# Altium PCB S3220A.PcbDoc (part 2 of 3)
Units mm, origin at the board's own origin, x right, y up, seen from the top; angles counter-clockwise.
Board outline 117 x 100 mm, 4 copper layers (Top Layer, Internal 1, Internal 2, Bottom Layer), stack 1.41 mm thick; 238 components, 187 nets, 991 pads, 1814 vias.
Unrouted connection lines stored in the file: 236.
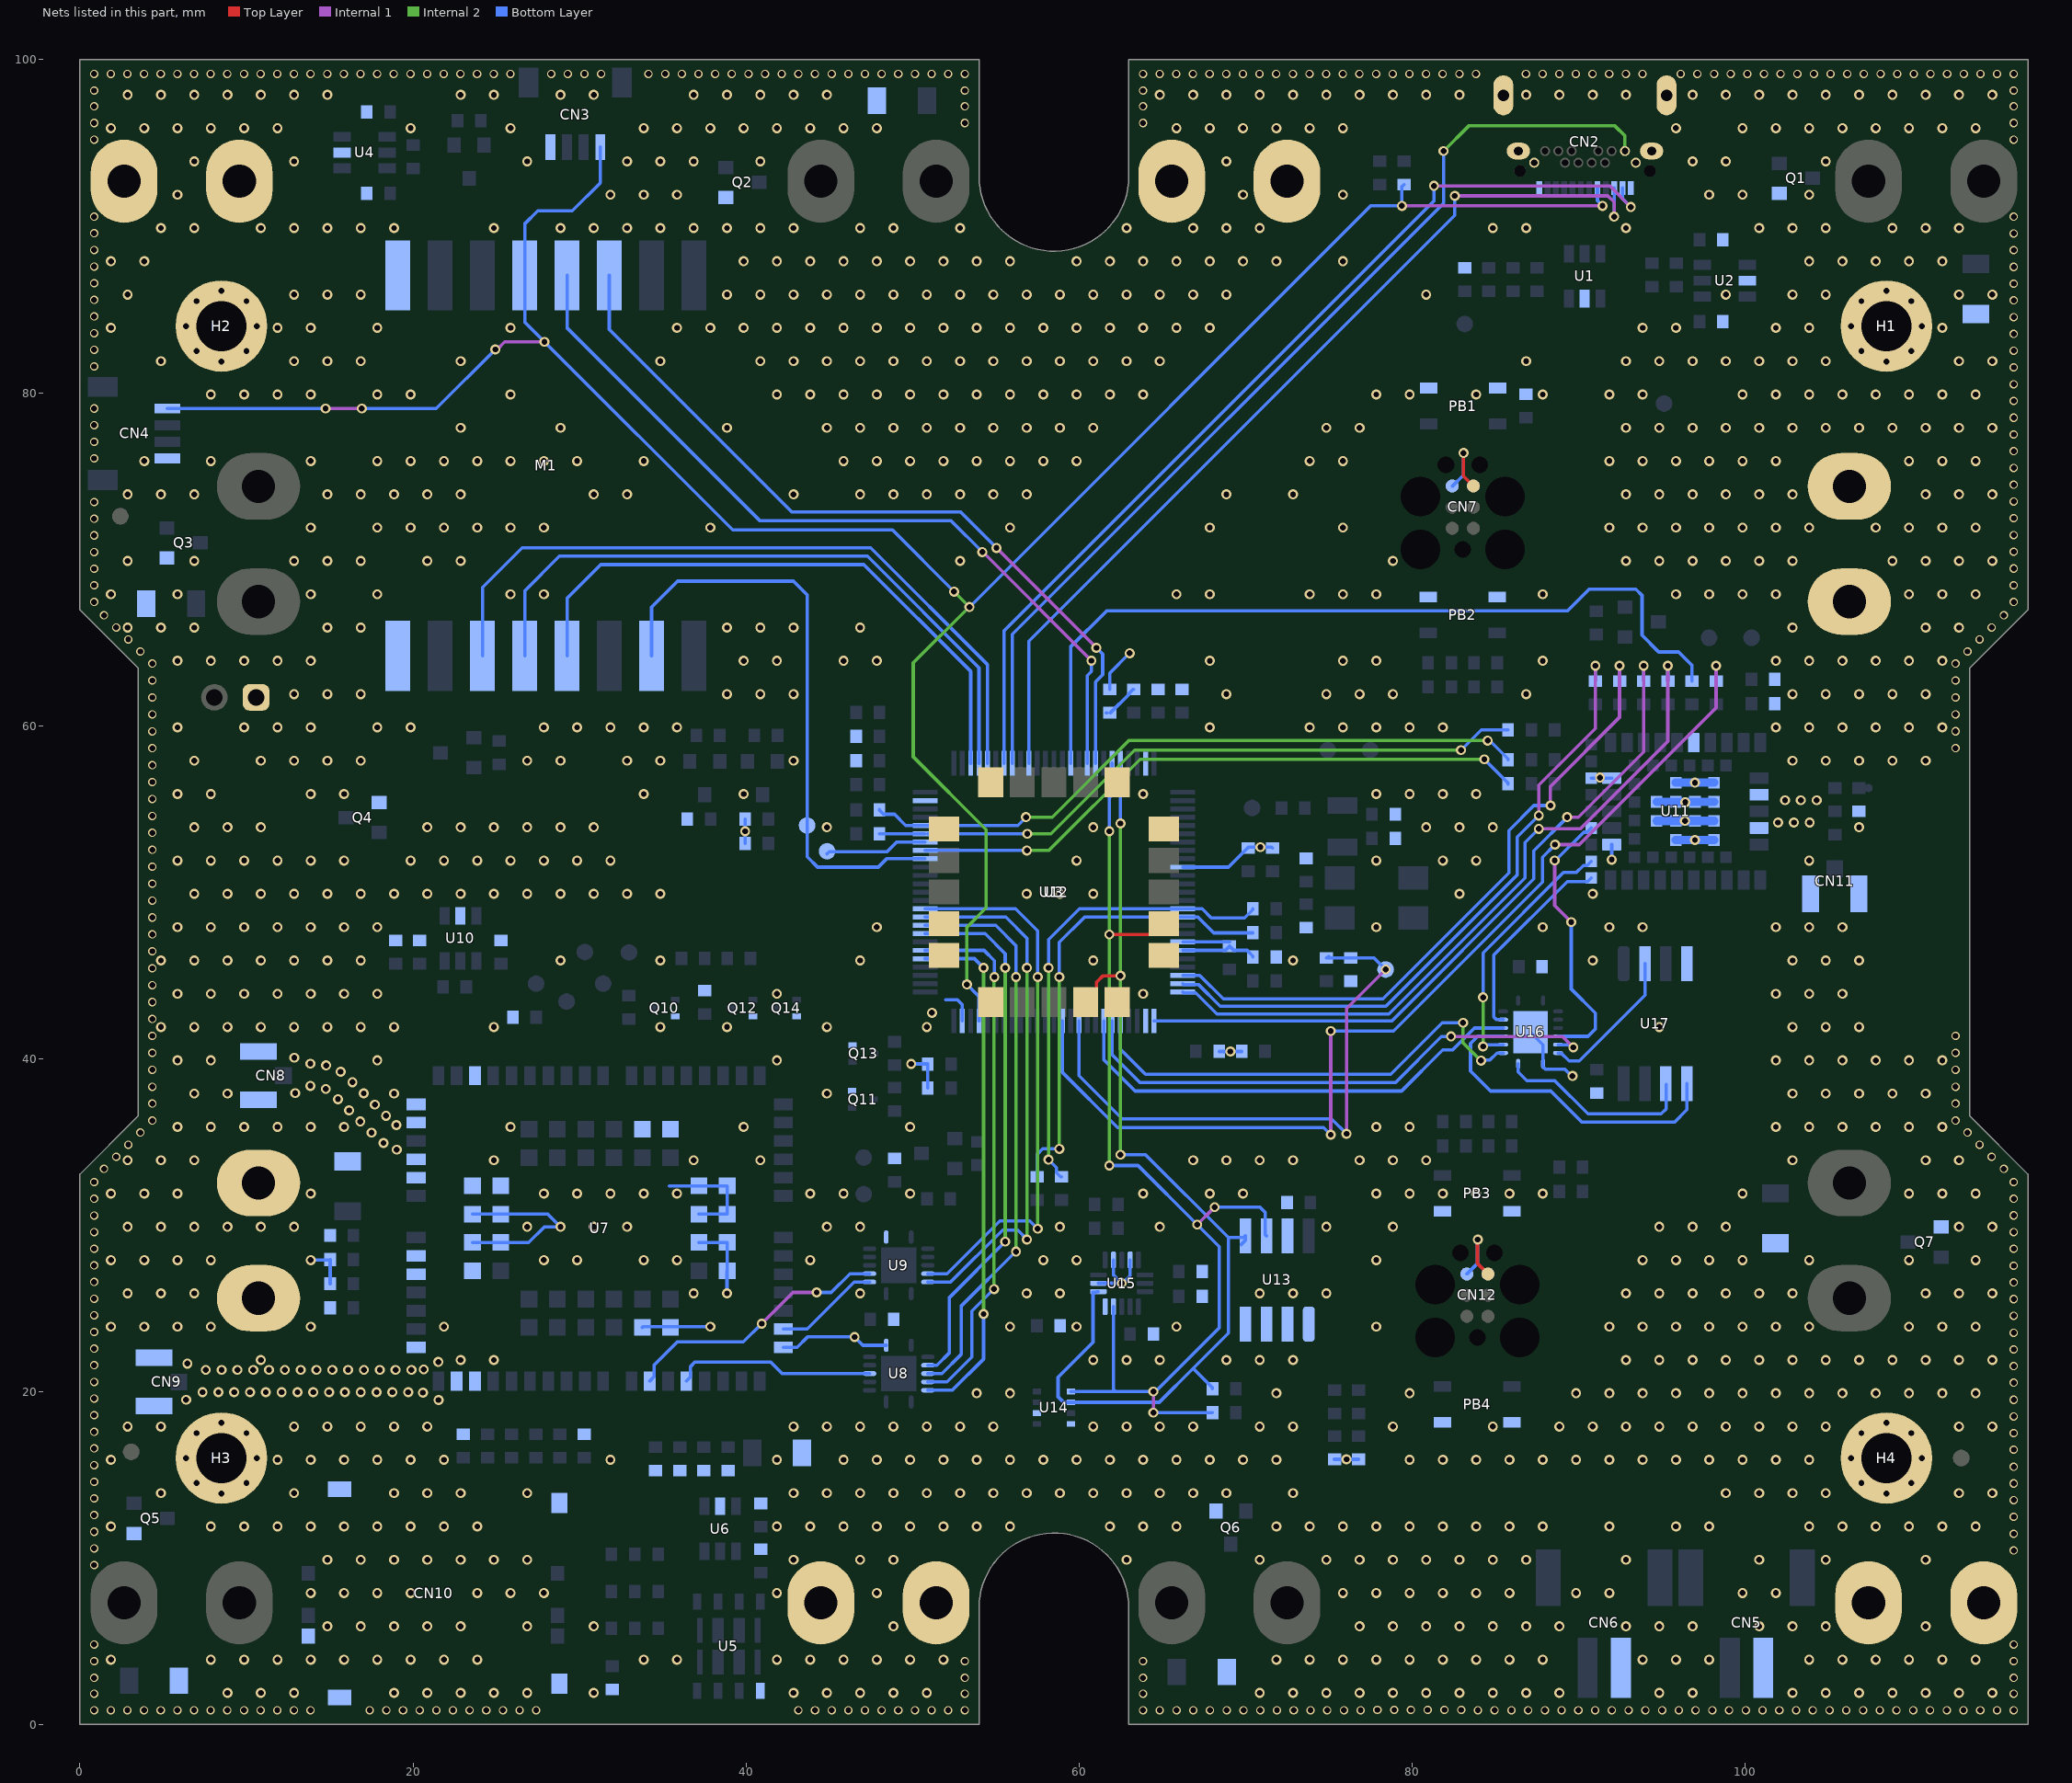
[diagram p4: the nets of this part, all layers, seen from the top]

## Part data
AN1: "2.4 GHz PCB antenna", Manufacturer="Swiss Innovation Lab", Manufacturer Part Number="SIL AN24GHZ", Currency=$, Price=0, Supplier 1=SIL, Supplier Part Number 1="SIL AN24GHZ"
BT1 BT2 BT3 BT7 BT8 BT9 BT10 BT11 BT12 BT16 BT17 BT18: "Battery Contact Clip A, AA 1 Cell PC Pin", Manufacturer="Keystone Electronics", Manufacturer Part Number=92, Supplier Part Number 1=36-92-ND, Currency=$, Price=0,20178, Supplier 1=Digi-Key
BT4 BT5 BT6 BT13 BT14 BT15: Manufacturer=SIL, Currency=$, Supplier 1=SIL
C1 C2 C3 C4 C5 C6 C31 C39: "220µF ±20% 6.3V Ceramic Capacitor X5R 1206 (3216 Metric)", Manufacturer="Murata Electronics North America", Manufacturer Part Number=GRM31CR60J227ME11L, Supplier Part Number 1=490-13970-1-ND, ValueAux=_6.3V, Currency=$, Price=0,59945, Supplier 1=Digi-Key
C7 C9 C10 C11 C16 C17 C19 C21 C23 C25 C27 C29 C30 C34 C42 C44 C45 C46 C47 C50 C52 C53 C55 C56 C57 C58 C59 C61: "0.1µF ±10% 50V Ceramic Capacitor X7R 0603 (1608 Metric)", Manufacturer=TDK, Manufacturer Part Number=C1608X7R1H104K080AA, Supplier Part Number 1=445-1314-6-ND, ValueAux=_50V, Currency=$, Price=0,01309, Supplier 1=Digi-Key
C8 C28 C32 C40 C48: "22µF ±20% 6.3V Ceramic Capacitor X5R 0603 (1608 Metric)", Manufacturer="Samsung Electro-Mechanics", Manufacturer Part Number=CL10A226MQ8NRNC, Supplier Part Number 1=1276-1193-1-ND, ValueAux=_6.3V, Currency=$, Price=0,04566, Supplier 1=Digi-Key
C12 C13: "18pF ±5% 50V Ceramic Capacitor C0G, NP0 0603 (1608 Metric)", Manufacturer=KEMET, Manufacturer Part Number=C0603C180J5GACTU, Supplier Part Number 1=399-1052-1-ND, ValueAux=_50V, Currency=$, Price=0,00974, Supplier 1=Digi-Key
C14 C15: "12pF ±1% 50V Ceramic Capacitor C0G, NP0 0603 (1608 Metric)", Manufacturer="Samsung Electro-Mechanics", Manufacturer Part Number=CL10C120FB8NNNC, Supplier Part Number 1=1276-2175-1-ND, ValueAux=_50V, Currency=$, Price=0,05153, Supplier 1=Digi-Key
C18 C20 C22 C24 C26 C51 C54 C60: "10µF ±10% 10V Ceramic Capacitor X5R 0603 (1608 Metric)", Manufacturer="Murata Electronics North America", Manufacturer Part Number=GRM188R61A106KE69D, Supplier Part Number 1=490-10474-1-ND, ValueAux=_10V, Currency=$, Price=0,03994, Supplier 1=Digi-Key
C33 C41: "1µF 50V Ceramic Capacitor X5R 0603 (1608 Metric) 0.063\" L x 0.032\" W (1.60mm x 0.80mm)", Manufacturer="Samsung Electro-Mechanics", Manufacturer Part Number=CL10A105KB8NNNC, Supplier Part Number 1=1276-1860-1-ND, ValueAux=_50V, Currency=$, Price=0,03472, Supplier 1=Digi-Key
C35 C36 C37 C38 C43: "33pF ±1% 50V Ceramic Capacitor C0G, NP0 0603 (1608 Metric)", Manufacturer="Samsung Electro-Mechanics", Manufacturer Part Number=CL10C330FB8NNNC, Supplier Part Number 1=1276-2262-6-ND, ValueAux=_50V, Currency=$, Price=0,04166, Supplier 1=Digi-Key
C49: "1.5pF ±0.1pF 50V Ceramic Capacitor C0G, NP0 0603 (1608 Metric)", Manufacturer="Samsung Electro-Mechanics", Manufacturer Part Number=CL10C1R5BB8NNNC, Supplier Part Number 1=1276-1071-1-ND, ValueAux=_50V, Currency=$, Price=0,01291, Supplier 1=Digi-Key
CN1: library part CN_S2B-XH, "Connector Header Through Hole, Right Angle 2 position 0.098\" (2.50mm)", Manufacturer="JST Sales America Inc.", Manufacturer Part Number=S2B-XH-A(LF)(SN), Supplier Part Number 1=455-2257-ND, Currency=$, Price=0,07792, Supplier 1=Digi-Key
CN2: "USB-C (USB TYPE-C) USB 3.2 Gen 2 (USB 3.1 Gen 2, Superspeed + (USB 3.1)) Receptacle Connector 24 Position Surface Mount, Right Angle; Through Hole", Manufacturer="CUI Devices", Manufacturer Part Number=UJ31-CH-G-SMT-TR-67, Supplier Part Number 1=2223-UJ31-CH-G-SMT-TR-67CT-ND, Currency=$, Price=2,43252, Supplier 1=Digi-Key
CN3 CN4: library part CN_QWICC, "Connector Header Surface Mount, Right Angle 4 position 0.039\" (1.00mm)", Manufacturer="JST Sales America Inc.", Manufacturer Part Number=SM04B-SRSS-TB(LF)(SN), Supplier Part Number 1=455-1804-1-ND, Currency=$, Price=0,61, Supplier 1=Digi-Key
CN5 CN6: library part CN_S2B-PH-SM4, "Connector Header Surface Mount, Right Angle 2 position 0.079\" (2.00mm)", Manufacturer="JST Sales America Inc.", Manufacturer Part Number=S2B-PH-SM4-TB(LF)(SN), Supplier Part Number 1=455-1749-1-ND, Currency=$, Price=0,36470, Supplier 1=Digi-Key
CN7 CN12: library part CN_TC2030, "TC2030-MCP-NL", ValueAux=_MCP, Currency=$, Price=0
CN8 CN9 CN11: "Ultra Miniature Coaxial Connector Jack, Male Pin 50 Ohm Surface Mount Solder", Manufacturer="TE Connectivity AMP Connectors", Manufacturer Part Number=1909763-1, Supplier Part Number 1=A118077CT-ND, Currency=$, Price=0,25410, Supplier 1=Digi-Key
CN10: "6 Position Card Connector Micro SIM Surface Mount, Right Angle Gold", Manufacturer="Molex LLC", Manufacturer Part Number=0788000001, Supplier Part Number 1=WM9786CT-ND, Currency=$, Price=1,14178, Supplier 1=Digi-Key
D1 D3 D4: "Red 631nm LED Indication - Discrete 2V 0603", Manufacturer="Lite-On Inc.", Manufacturer Part Number=LTST-C193KRKT-5A, Supplier Part Number 1=160-1830-1-ND, ValueAux=_Red, Currency=$, Price=0,07565, Supplier 1=Digi-Key
D2: "TVS DIODE 15V 27.4V DSN1608-2", Manufacturer="Nexperia USA Inc.", Manufacturer Part Number=PTVS15VZ1USKYL, Supplier Part Number 1=1727-2745-6-ND, ValueAux=_15V, Currency=$, Price=0,09950, Supplier 1=Digi-Key
FB1: "FERRITE BEAD 68 OHM 0603 1LN", Manufacturer="Laird-Signal Integrity Products", Manufacturer Part Number=MI0603J680R-10, Supplier Part Number 1=240-2372-1-ND, ValueAux=_1A, Currency=$, Price=0,02658, Supplier 1=Digi-Key
FD1 FD2 FD3: "Reference point for assembly machine", Manufacturer="Swiss Innovation Lab", Currency=$, Manufacturer Part Number=Fiducial, Price=0, Supplier 1="Swiss Innovation Lab", Supplier Part Number 1=Fiducial
H1 H2 H3 H4: "Hole 3mm, Pad 5.5mm", Manufacturer=Swissinnolab, Currency=$, Price=0
M1: "Module M300 motherboard socket", Manufacturer="Swiss Innovation Lab", Manufacturer Part Number=M300, ValueAux=_socket, Currency=$, Price=0, Supplier 1="Swiss Innovation Lab", Supplier Part Number 1=M300
MH1: "Case Takachi WP11-15", Manufacturer=Takachi, Currency=$, Manufacturer Part Number=WP11-15, Price=0
PB1 PB2 PB3 PB4: "Tactile Switch SPST-NO Top Actuated Surface Mount", Manufacturer=C&K, Manufacturer Part Number="PTS810 SJM 250 SMTR LFS", Supplier Part Number 1=CKN10502DKR-ND, Currency=$, Price=0,17302, Supplier 1=Digi-Key
Q1 Q2 Q3 Q4 Q5 Q6 Q7 Q8 Q9 Q15 Q16 Q17 Q18: "P-Channel 20V 2.8A (Ta) 480mW (Ta), 6.25W (Tc) Surface Mount TO-236AB (SOT23)", Manufacturer="Nexperia USA Inc.", Supplier Part Number 1=1727-2310-1-ND, Currency=$, Manufacturer Part Number=PMV65XPEAR, Price=0,11204, Supplier 1=Digi-Key
Q10 Q11 Q12 Q13 Q14: "Pre-Biased Bipolar Transistor (BJT) NPN - Pre-Biased 50V 100mA  200mW Surface Mount SC-75, SOT-416", Manufacturer="ON Semiconductor", Manufacturer Part Number=DTC143ZET1G, Supplier Part Number 1=DTC143ZET1GOSCT-ND, Currency=$, Price=0,03338, Supplier 1=Digi-Key
R1 R18 R20 R22 R30 R31 R32 R33 R34 R37 R42 R43 R50 R51 R63 R64: "0 Ohms Jumper 0.1W, 1/10W Chip Resistor 0603 (1608 Metric) Automotive AEC-Q200 Thick Film", Manufacturer="Panasonic Electronic Components", Manufacturer Part Number=ERJ-3GEY0R00V, Supplier Part Number 1=P0.0GCT-ND, Currency=$, Price=0,00962, Supplier 1=Digi-Key
R2 R11 R13 R14 R15 R24 R27 R28 R29 R41 R48 R54 R55 R57 R58 R59 R60 R62 R68 R69 R70: "68 Ohms ±1% 0.1W, 1/10W Chip Resistor 0603 (1608 Metric) Automotive AEC-Q200 Thick Film", Manufacturer="Panasonic Electronic Components", Manufacturer Part Number=ERJ-3EKF68R0V, Supplier Part Number 1=P68.0HCT-ND, Currency=$, Price=0,01449, Supplier 1=Digi-Key
R3 R4 R5 R8 R9 R10 R12 R23 R26 R46 R52 R53 R56 R61 R71 R74: "1 MOhms ±1% 0.1W, 1/10W Chip Resistor 0603 (1608 Metric) Automotive AEC-Q200 Thick Film", Manufacturer="Panasonic Electronic Components", Manufacturer Part Number=ERJ-3EKF1004V, Supplier Part Number 1=P1.00MHCT-ND, Currency=$, Price=0,01264, Supplier 1=Digi-Key
R6 R7 R21 R40 R44 R47 R49 R66 R72 R73: "10 kOhms ±1% 0.1W, 1/10W Chip Resistor 0603 (1608 Metric) Automotive AEC-Q200 Thick Film", Manufacturer="Panasonic Electronic Components", Manufacturer Part Number=ERJ-3EKF1002V, Supplier Part Number 1=P10.0KHCT-ND, Currency=$, Price=0,01449, Supplier 1=Digi-Key
R16 R17 R19 R25 R65: "1 kOhms ±1% 0.1W, 1/10W Chip Resistor 0603 (1608 Metric) Automotive AEC-Q200 Thick Film", Manufacturer="Panasonic Electronic Components", Manufacturer Part Number=ERJ-3EKF1001V, Supplier Part Number 1=P1.00KHCT-ND, Currency=$, Price=0,01153, Supplier 1=Digi-Key
R35 R36 R38: "22 Ohms ±1% 0.1W, 1/10W Chip Resistor 0603 (1608 Metric) Automotive AEC-Q200 Thick Film", Manufacturer="Panasonic Electronic Components", Manufacturer Part Number=ERJ-3EKF22R0V, Supplier Part Number 1=P22.0HCT-ND, Currency=$, Price=0,01153, Supplier 1=Digi-Key
R39: "15 kOhms ±1% 0.1W, 1/10W Chip Resistor 0603 (1608 Metric) Automotive AEC-Q200, Moisture Resistant Thick Film", Manufacturer=Yageo, Manufacturer Part Number=AC0603FR-0715KL, Supplier Part Number 1=YAG3569DKR-ND, Currency=$, Price=0,00527, Supplier 1=Digi-Key
R45: "5.6 kOhms ±1% 0.1W, 1/10W Chip Resistor 0603 (1608 Metric) Automotive AEC-Q200 Thick Film", Manufacturer="Panasonic Electronic Components", Manufacturer Part Number=ERJ-3EKF5601V, Supplier Part Number 1=P5.60KHCT-ND, Currency=$, Price=0,01264, Supplier 1=Digi-Key
R67: "100 kOhms ±1% 0.1W, 1/10W Chip Resistor 0603 (1608 Metric) Automotive AEC-Q200 Thick Film", Manufacturer="Panasonic Electronic Components", Manufacturer Part Number=ERJ-3EKF1003V, Supplier Part Number 1=P100KHCT-ND, Currency=$, Price=0,01367, Supplier 1=Digi-Key
TP1 TP2 TP3 TP4 TP5 TP6 TP7 TP8 TP9 TP10 TP11 TP12 TP13: Manufacturer="Swiss Innovation Lab", Currency=$, Manufacturer Part Number="Test point", Price=0
U1: "TVS DIODE 5.25V 17V SOT23-6", Manufacturer=STMicroelectronics, Manufacturer Part Number=USBLC6-2SC6Y, Supplier Part Number 1=497-11882-6-ND, Currency=$, Price=0,33501, Supplier 1=Digi-Key
U2 U4 U10: "Power Switch/Driver 1:1 P-Channel 2A SOT-23-6", Manufacturer="Texas Instruments", Manufacturer Part Number=TPS22917DBVR, Supplier Part Number 1=296-50498-1-ND, Currency=$, Price=0,19065, Supplier 1=Digi-Key
U3: "ARM® Cortex®-M4 STM32L4 Microcontroller IC 32-Bit 80MHz 1MB (1M x 8) FLASH 100-LQFP (14x14)", Manufacturer=STMicroelectronics, Supplier Part Number 1=497-15873-ND, Currency=$, Manufacturer Part Number=STM32L476VGT6, Price=5,98590, Supplier 1=Digi-Key
U5: "M2M embedded SIM card IC", Manufacturer=1NCE, Currency=$, Manufacturer Part Number=eSIM, Price=12,0, Supplier 1=1NCE, Supplier Part Number 1=eSIM
U6: "TVS DIODE 6V 15V SOT23-6", Manufacturer="Littelfuse Inc.", Supplier Part Number 1=F4204CT-ND, Currency=$, Manufacturer Part Number=SRV05-4HTG, Price=0,40556, Supplier 1=Digi-Key
U7: "MultiBand, 3GPP Rel.13, LTE Cat.M1/NB1, GSM/EGPRS, 3xUART, VoLTE", Manufacturer=Quectel, Currency=$, Manufacturer Part Number=BG95-M3, Price=15,98590, Supplier 1=Codico, Supplier Part Number 1=BG95-M3
U8 U9: "Voltage Level Translator Bidirectional 1 Circuit 4 Channel 100Mbps 14-VQFN (3.5x3.5)", Manufacturer="Texas Instruments", Manufacturer Part Number=TXB0104RGYR, Supplier Part Number 1=296-21930-6-ND, Currency=$, Price=0,65817, Supplier 1=Digi-Key
U11: "MOD BLE 4.2 NORDIC NRF52840 SOC", Manufacturer=uBlox, Currency=$, Manufacturer Part Number=NINA-B301, Price=7,5, Supplier 1=uBlox, Supplier Part Number 1=NINA-B301
U12: "SAM-M8Q RF Receiver Galileo, GLONASS, GPS 1.575GHz, 1.602GHz -165dBm 400kbps", Manufacturer="U-Blox America Inc.", Manufacturer Part Number=SAM-M8Q-0-10, Supplier Part Number 1=672-1054-1-ND, Currency=$, Price=12,75120, Supplier 1=Digi-Key
U13: "EEPROM Memory IC 32Kb (4K x 8) I2C 1MHz 450ns 8-SO", Manufacturer=STMicroelectronics, Manufacturer Part Number=M24C32-WMN6TP, Supplier Part Number 1=497-5027-1-ND, Currency=$, Price=0,18324, Supplier 1=Digi-Key
U14: "Humidity Temperature Sensor 0 ~ 100% RH I2C, SPI ±3% 1s Surface Mount", Manufacturer="Bosch Sensortec", Supplier Part Number 1=828-1063-1-ND, Currency=$, Manufacturer Part Number=BME280, Price=3,71140, Supplier 1=Digi-Key
U15: "Accelerometer X, Y, Z Axis ±2g, 4g, 8g 0.78Hz ~ 400Hz 16-QFN (3x3)", Manufacturer="NXP USA Inc.", Manufacturer Part Number=MMA8452QT, Supplier Part Number 1=MMA8452QT-ND, Currency=$, Price=1,09888, Supplier 1=Digi-Key
U16: "4 Circuit IC Switch 2:1 10Ohm 16-UQFN (2.6x1.8)", Manufacturer="Texas Instruments", Manufacturer Part Number=TS3A5018RGYR, Supplier Part Number 1=296-19899-1-ND, Currency=$, Price=0,25928, Supplier 1=Digi-Key
U17: "FLASH - NOR Memory IC 32Mb (4M x 8) SPI - Quad I/O 133MHz  8-SOIC", Manufacturer="Winbond Electronics", Manufacturer Part Number=W25Q32JVSSIQ, Supplier Part Number 1=W25Q32JVSSIQ-ND, Currency=$, Price=0,97, Supplier 1=Digi-Key
Y1: "8MHz ±20ppm Crystal 18pF 72 Ohms 4-SMD, No Lead", Manufacturer="Abracon LLC", Manufacturer Part Number=ABMM2-8.000MHZ-E2-T, Supplier Part Number 1=535-9628-1-ND, Currency=$, Price=0,49500, Supplier 1=Digi-Key
Y2: "32.768kHz ±10ppm Crystal 12.5pF 70 kOhms 2-SMD, No Lead", Manufacturer="ECS Inc.", Manufacturer Part Number=ECS-.327-12.5-34B-C-TR, Supplier Part Number 1=XC1968CT-ND, Currency=$, Price=0,42900, Supplier 1=Digi-Key
Z1 Z2: "2 Positions Header Connector 0.100\" (2.54mm) SMD Gold for current measurement", Manufacturer=SIL, Currency=$, Manufacturer Part Number="I sense", Price=0, Supplier 1=SIL, Supplier Part Number 1="I sense"
Z3 Z4: Manufacturer="Swiss Innovation Lab", Manufacturer Part Number="SIL Logo", Currency=$, Price=0, Supplier 1="Swiss Innovation Lab", Supplier Part Number 1="SIL Logo"

## Via types
v1: diameter 0.6, hole 0.35, Top Layer to Bottom Layer, tented both sides, 1449 vias
v2: diameter 0.5, hole 0.35, Top Layer to Bottom Layer, tented both sides, 365 vias

## Nets (pads, with @x,y where several pads share a name; then routed paths per layer and width w, separated by ;. In a path a pad name is that pad's centre, name@x,y a point inside that pad or via, vN(x,y) a via of type N, cw(c..) or ccw(c..) an arc to the next point about the centre after c; other vN are vias at no path point)
AGND: C16.1 R20.2 U3.19 U3.20 | length 7.4
  Bottom Layer w0.2: U3.20@66.238,46.5 67.9,46.5 68.8,46.5 C16.1@69.05,46.75 69.3,46.5 70.1,46.5 70.45,46.15 R20.2@70.45,46.1 ; U3.19@66.238,47 C16.1@69.05,47
BATTERY_AIN: R3.1 R4.2 TP2.1 U3.35 | length 35.6
  Internal 1 w0.2: v1(76.075,35.475) 76.075,43 v1(78.425,45.35)
  Bottom Layer w0.2: U3.35@60,42.262 60,38.975 62.6,36.375 75.175,36.375 v1(76.075,35.475) ; R3.1@74.875,46.05 R4.2@76.325,46.05 77.725,46.05 v1(78.425,45.35) ; R3.1@74.975,46.125 R3.1@75.025,46.125
BOOT0_CPU: R19.1 R21.2 | length 2.1
  Bottom Layer w0.2: R21.2@61.625,60.775 R21.2@61.675,60.775 ; R21.2@61.9,60.775 63,61.875 63,61.925 63.25,62.175 R19.1@63.3,62.175
CPU_CTS_BLE: R55.1 U3.23 | length 40
  Internal 1 w0.2: v1(88.325,55.2) 88.325,56.35 92.475,60.5 v1(92.475,63.6)
  Bottom Layer w0.2: U3.23@66.238,45 67.25,45 68.671,43.579 78.254,43.579 85.825,51.15 85.825,53.7 87.325,55.2 v1(88.325,55.2) ; R55.1@92.475,62.675 v1(92.475,63.6)
CPU_CTS_MODEM: U3.58 U8.10 | length 32.3
  Internal 2 w0.2: v1(55.575,29) v1(55.575,45.45)
  Bottom Layer w0.2: U3.58@50.762,47.5 54.375,47.5 55.575,46.3 v1(55.575,45.45) ; U8.10@50.927,21.576 51.469,21.576 52.225,22.332 52.225,25.65 v1(55.575,29)
CPU_DCD_MODEM: U3.61 U9.12 | length 33.3
  Internal 2 w0.2: v1@57.525,29.8 v1(57.525,44.9)
  Bottom Layer w0.2: U3.61@50.762,49 56.2,49 57.525,47.675 v1(57.525,44.9) ; U9.12@50.927,27.076 52.083,27.076 55.257,30.25 57.05,30.25 v1(57.525,29.775)
CPU_DTR_MODEM: U3.60 U9.13 | length 32.3
  Internal 2 w0.2: v1@56.875,29.092 v1(56.875,45.45)
  Bottom Layer w0.2: U3.60@50.762,48.5 55.607,48.5 56.875,47.232 v1(56.875,45.45) ; U9.13@50.927,26.576 52.29,26.576 55.414,29.7 56.325,29.7 v1@56.9,29.125
  other v1: 56.875,29.125
CPU_MISO_MODULE: M1.13 U3.79 | length 40.6
  Bottom Layer w0.2: M1.13@26.715,64.19 26.715,68.09 28.8,70.175 47.293,70.175 54,63.468 U3.79@54,57.738
CPU_MOSI_MODULE: M1.14 U3.80 | length 44.3
  Bottom Layer w0.2: M1.14@24.175,64.19 24.175,68.3 26.55,70.675 47.5,70.675 54.5,63.675 U3.80@54.5,57.738
CPU_RTS_BLE: R54.1 U3.24 | length 39.4
  Internal 1 w0.2: v1(87.625,54.6) 87.625,56.425 91.025,59.825 v1(91.025,63.6)
  Bottom Layer w0.2: U3.24@66.238,44.5 66.288,44.45 67.175,44.45 68.488,43.137 78.437,43.137 86.325,51.025 86.325,53.3 v1(87.625,54.6) ; R54.1@91.025,62.675 v1(91.025,63.6)
CPU_RTS_MODEM: U3.59 U8.11 | length 34.4
  Internal 2 w0.2: v1(56.225,28.4) v1(56.225,44.9)
  Bottom Layer w0.2: U3.59@50.762,48 55,48 56.225,46.775 v1(56.225,44.9) ; U8.11@50.927,21.076 51.776,21.076 52.925,22.225 52.925,25.125 v1@56.225,28.425
CPU_RXD_BLE: R57.1 U3.26 | length 43.2
  Internal 1 w0.2: v1(89.325,54.5) 90,54.5 93.925,58.425 v1(93.925,63.6)
  Bottom Layer w0.2: U3.26@64.5,42.262 78.799,42.262 87.325,50.788 87.325,52.478 89.325,54.478 v1(89.325,54.5) ; R57.1@93.925,62.675 v1(93.925,63.6)
CPU_RXD_DBG: M1.6 U3.93 | length 47.7
  Internal 1 w0.2: v1(55.05,70.675) v1(61.05,64.675)
  Bottom Layer w0.2: M1.6@31.795,87.05 31.795,83.805 42.775,72.825 52.9,72.825 v1(55.05,70.675) ; U3.93@61,57.738 61,62.625 61.425,63.05 61.425,64.3 v1(61.05,64.675)
CPU_RXD_GNSS: R42.2 R63.2 U3.15 | length 28.1
  Internal 2 w0.2: v1(58.175,33.925) v1(58.175,45.45)
  Bottom Layer w0.2: v1(58.175,33.925) 58.65,33.45 58.65,33.15 58.9,32.9 R42.2@58.95,32.9 ; v1(58.175,45.45) 58.175,47.15 60.025,49 U3.15@66.238,49 67.4,49 67.95,48.45 69.95,48.45 70.45,48.95 R63.2@70.45,49
CPU_RXD_MODEM: U3.56 U8.12 | length 32
  Internal 1 w0.2: v1@54.9,44.875 v1(54.925,44.9)
  Internal 2 w0.2: v1(54.9,26.15) v1@54.9,44.875
  Bottom Layer w0.2: U3.56@50.762,46.5 54.3,46.5 54.925,45.875 v1(54.925,44.9) ; U8.12@50.927,20.576 52.076,20.576 53.575,22.075 53.575,24.825 v1(54.9,26.15)
CPU_SCK_MODULE: M1.12 U3.78 | length 36.7
  Bottom Layer w0.2: M1.12@29.255,64.19 29.255,67.65 31.28,69.675 47.086,69.675 53.5,63.261 U3.78@53.5,57.738
CPU_SIN_BLE: R59.1 U3.90 | length 50
  Bottom Layer w0.2: U3.90@59.5,57.738 59.5,64.725 61.675,66.9 89.35,66.9 90.65,68.2 93.45,68.2 93.825,67.825 93.825,65.425 94.825,64.425 96.025,64.425 96.825,63.625 R59.1@96.825,62.675
CPU_SOUT_BLE: R60.1 U3.37 | length 62.5
  Internal 1 w0.2: v1(75.125,35.425) v1(75.125,41.65) ; v1(88.6,52.85) 90.05,52.85 98.275,61.075 v1(98.275,63.6)
  Bottom Layer w0.2: U3.37@59,42.262 59,39.175 62.325,35.85 74.7,35.85 v1(75.125,35.425) ; v1(75.125,41.65) 78.9,41.65 87.85,50.6 87.85,52.1 v1(88.6,52.85) ; R60.1@98.275,62.675 v1(98.275,63.6)
CPU_TXD_BLE: R58.1 U3.25 | length 43.2
  Internal 1 w0.2: v1(87.625,53.8) 90.125,53.8 95.375,59.05 v1(95.375,63.6)
  Bottom Layer w0.2: U3.25@66.238,44 66.288,43.95 67.025,43.95 68.298,42.677 78.627,42.677 86.802,50.852 86.802,52.977 v1(87.625,53.8) ; R58.1@95.375,62.675 v1(95.375,63.6)
CPU_TXD_DBG: M1.5 U3.92 | length 49.2
  Internal 1 w0.2: v1(54.2,70.425) 54.225,70.425 v1(60.75,63.9)
  Bottom Layer w0.2: M1.5@29.255,87.05 29.255,83.895 40.85,72.3 52.325,72.3 v1(54.2,70.425) ; U3.92@60.5,57.738 60.5,63 60.75,63.25 v1(60.75,63.9)
CPU_TXD_GNSS: R43.2 R64.2 U3.16 | length 27.7
  Internal 2 w0.2: v1(58.825,34.575) v1(58.825,44.9)
  Bottom Layer w0.2: R43.2@57.5,32.9 57.5,34.25 57.825,34.575 v1(58.825,34.575) ; v1@58.825,45.1 58.825,46.975 60.35,48.5 U3.16@66.238,48.5 67.15,48.5 68.1,47.55 R64.2@70.45,47.55
CPU_TXD_MODEM: U3.55 U8.13 | length 31.4
  Internal 2 w0.2: v1(54.275,24.65) v1(54.275,45.45)
  Bottom Layer w0.2: U3.55@50.762,46 53.725,46 v1(54.275,45.45) ; U8.13@50.927,20.076 52.401,20.076 54.275,21.95 v1(54.275,24.65)
CPU_USB_DM: R14.2 R29.2 U3.70 | length 40.2
  Internal 2 w0.2: v1(56.9,53.5) 58.325,53.5 63.35,58.525 v1(82.95,58.525)
  Bottom Layer w0.2: R29.2@48.025,53.5 U3.70@50.762,53.5 ; U3.70@50.912,53.5 v1(56.9,53.5) ; v1(82.95,58.525) 84.175,59.75 R14.2@85.775,59.75
CPU_USB_DP: R15.2 R27.2 U3.71 | length 40.8
  Internal 2 w0.2: v1(56.825,54.5) 58.4,54.5 63,59.1 v1(84.55,59.1)
  Bottom Layer w0.2: R27.2@48.025,54.95 48.025,54.925 48.275,54.675 48.925,54.675 49.6,54 U3.71@50.762,54 56.325,54 v1(56.825,54.5) ; v1(84.55,59.1) 84.627,59.023 84.752,59.023 85.775,58 R15.2@85.775,57.95
CPU_USB_ID: TP5.1 U3.69 | length 6.2
  Bottom Layer w0.2: TP5.1@44.875,52.3 45,52.425 48.475,52.425 49.05,53 U3.69@50.762,53
CPU_USB_SOF: M1.10 TP4.1 U3.67 | length 36.5
  Bottom Layer w0.2: M1.10@34.335,64.19 34.335,67.11 35.9,68.675 42.85,68.675 43.675,67.85 TP4.1@43.675,54 ; TP4.1@43.675,53.983 43.675,52.125 44.3,51.5 47.95,51.5 48.45,52 U3.67@50.762,52
CPU_USB_VBUS: R13.2 U3.68 | length 37.9
  Internal 2 w0.2: v1(56.875,52.5) 58.2,52.5 63.675,57.975 v1(84.35,57.975)
  Bottom Layer w0.2: U3.68@50.762,52.5 v1(56.875,52.5) ; v1(84.35,57.975) 85.775,56.55 R13.2@85.775,56.5
CTS_BG95: U7.36 U8.4 | length 12.1
  Bottom Layer w0.2: U7.36@36.425,20.625 36.675,20.875 36.675,21.5 36.95,21.775 41.475,21.775 42.174,21.076 U8.4@47.427,21.076
DCD_BG95: U7.38 U9.3 | length 16.3
  Internal 1 w0.2: v1(40.95,24.075) 42.825,25.95 v1(44.25,25.95)
  Bottom Layer w0.2: U7.38@34.225,20.625 34.475,20.875 34.475,21.575 35.875,22.975 39.85,22.975 v1(40.95,24.075) ; v1(44.25,25.95) 45.125,25.95 46.251,27.076 U9.3@47.427,27.076
DTR_BG95: U7.30 U9.2 | length 6.3
  Bottom Layer w0.2: U7.30@42.25,23.75 43.675,23.75 46.5,26.575 U9.2@47.425,26.575
EPAPER_BUSY: CN2.B2 U3.83 | length 60.2
  Internal 2 w0.2: v1(81.9,94.515) 83.41,96.025 92.2,96.025 92.798,95.427 CN2.B2@92.798,94.515
  Bottom Layer w0.2: U3.83@56,57.738 56,65.486 81.9,91.386 v1(81.9,94.515)
EPAPER_MOSI: CN2.A10 U3.85 | length 57
  Internal 1 w0.2: v1(82.575,91.825) 91.773,91.825 92.15,91.448 v1(92.15,90.575)
  Bottom Layer w0.2: U3.85@57,57.738 57,65.072 82.575,90.647 v1(82.575,91.825) ; v1@92.148,90.598 CN2.A10@92.148,92.29
EPAPER_SCK: CN2.A11 U3.82 | length 59.1
  Internal 1 w0.2: v1(81.325,92.425) 91.875,92.425 v1(93.15,91.15)
  Bottom Layer w0.2: U3.82@55.5,57.738 55.5,65.693 81.325,91.518 v1(81.325,92.425) ; CN2.A11@92.648,92.29 92.648,91.652 v1(93.15,91.15)
FLASH_MISO: U16.7 U17.2 | length 9
  Bottom Layer w0.2: U16.7@88.781,40.333 88.967,40.333 89.45,39.85 90.05,39.85 94,43.8 U17.2@94,45.7
FLASH_MISO_BLE: U11.50 U16.5 | length 16.5
  Internal 1 w0.2: v1(88.575,51.9) 88.575,49.2 v1(89.575,48.2)
  Bottom Layer w0.2: v1(88.575,51.9) 88.625,51.9 90.325,53.6 90.525,53.6 U11.50@90.775,53.85 ; U16.5@88.781,41.333 90.583,41.333 91.025,41.775 91.025,42.725 89.575,44.175 v1@89.575,48.175
FLASH_MISO_CPU: U3.31 U16.6 | length 32.8
  Internal 1 w0.2: v1(82.35,41.325) 89.05,41.325 v1(89.7,40.675)
  Bottom Layer w0.2: U3.31@62,42.262 62,40.225 63.675,38.55 79,38.55 81.775,41.325 v1(82.35,41.325) ; U16.6@88.781,40.833 89.542,40.833 v1(89.7,40.675)